# KiCad board FPGA_module.kicad_pcb (continued)
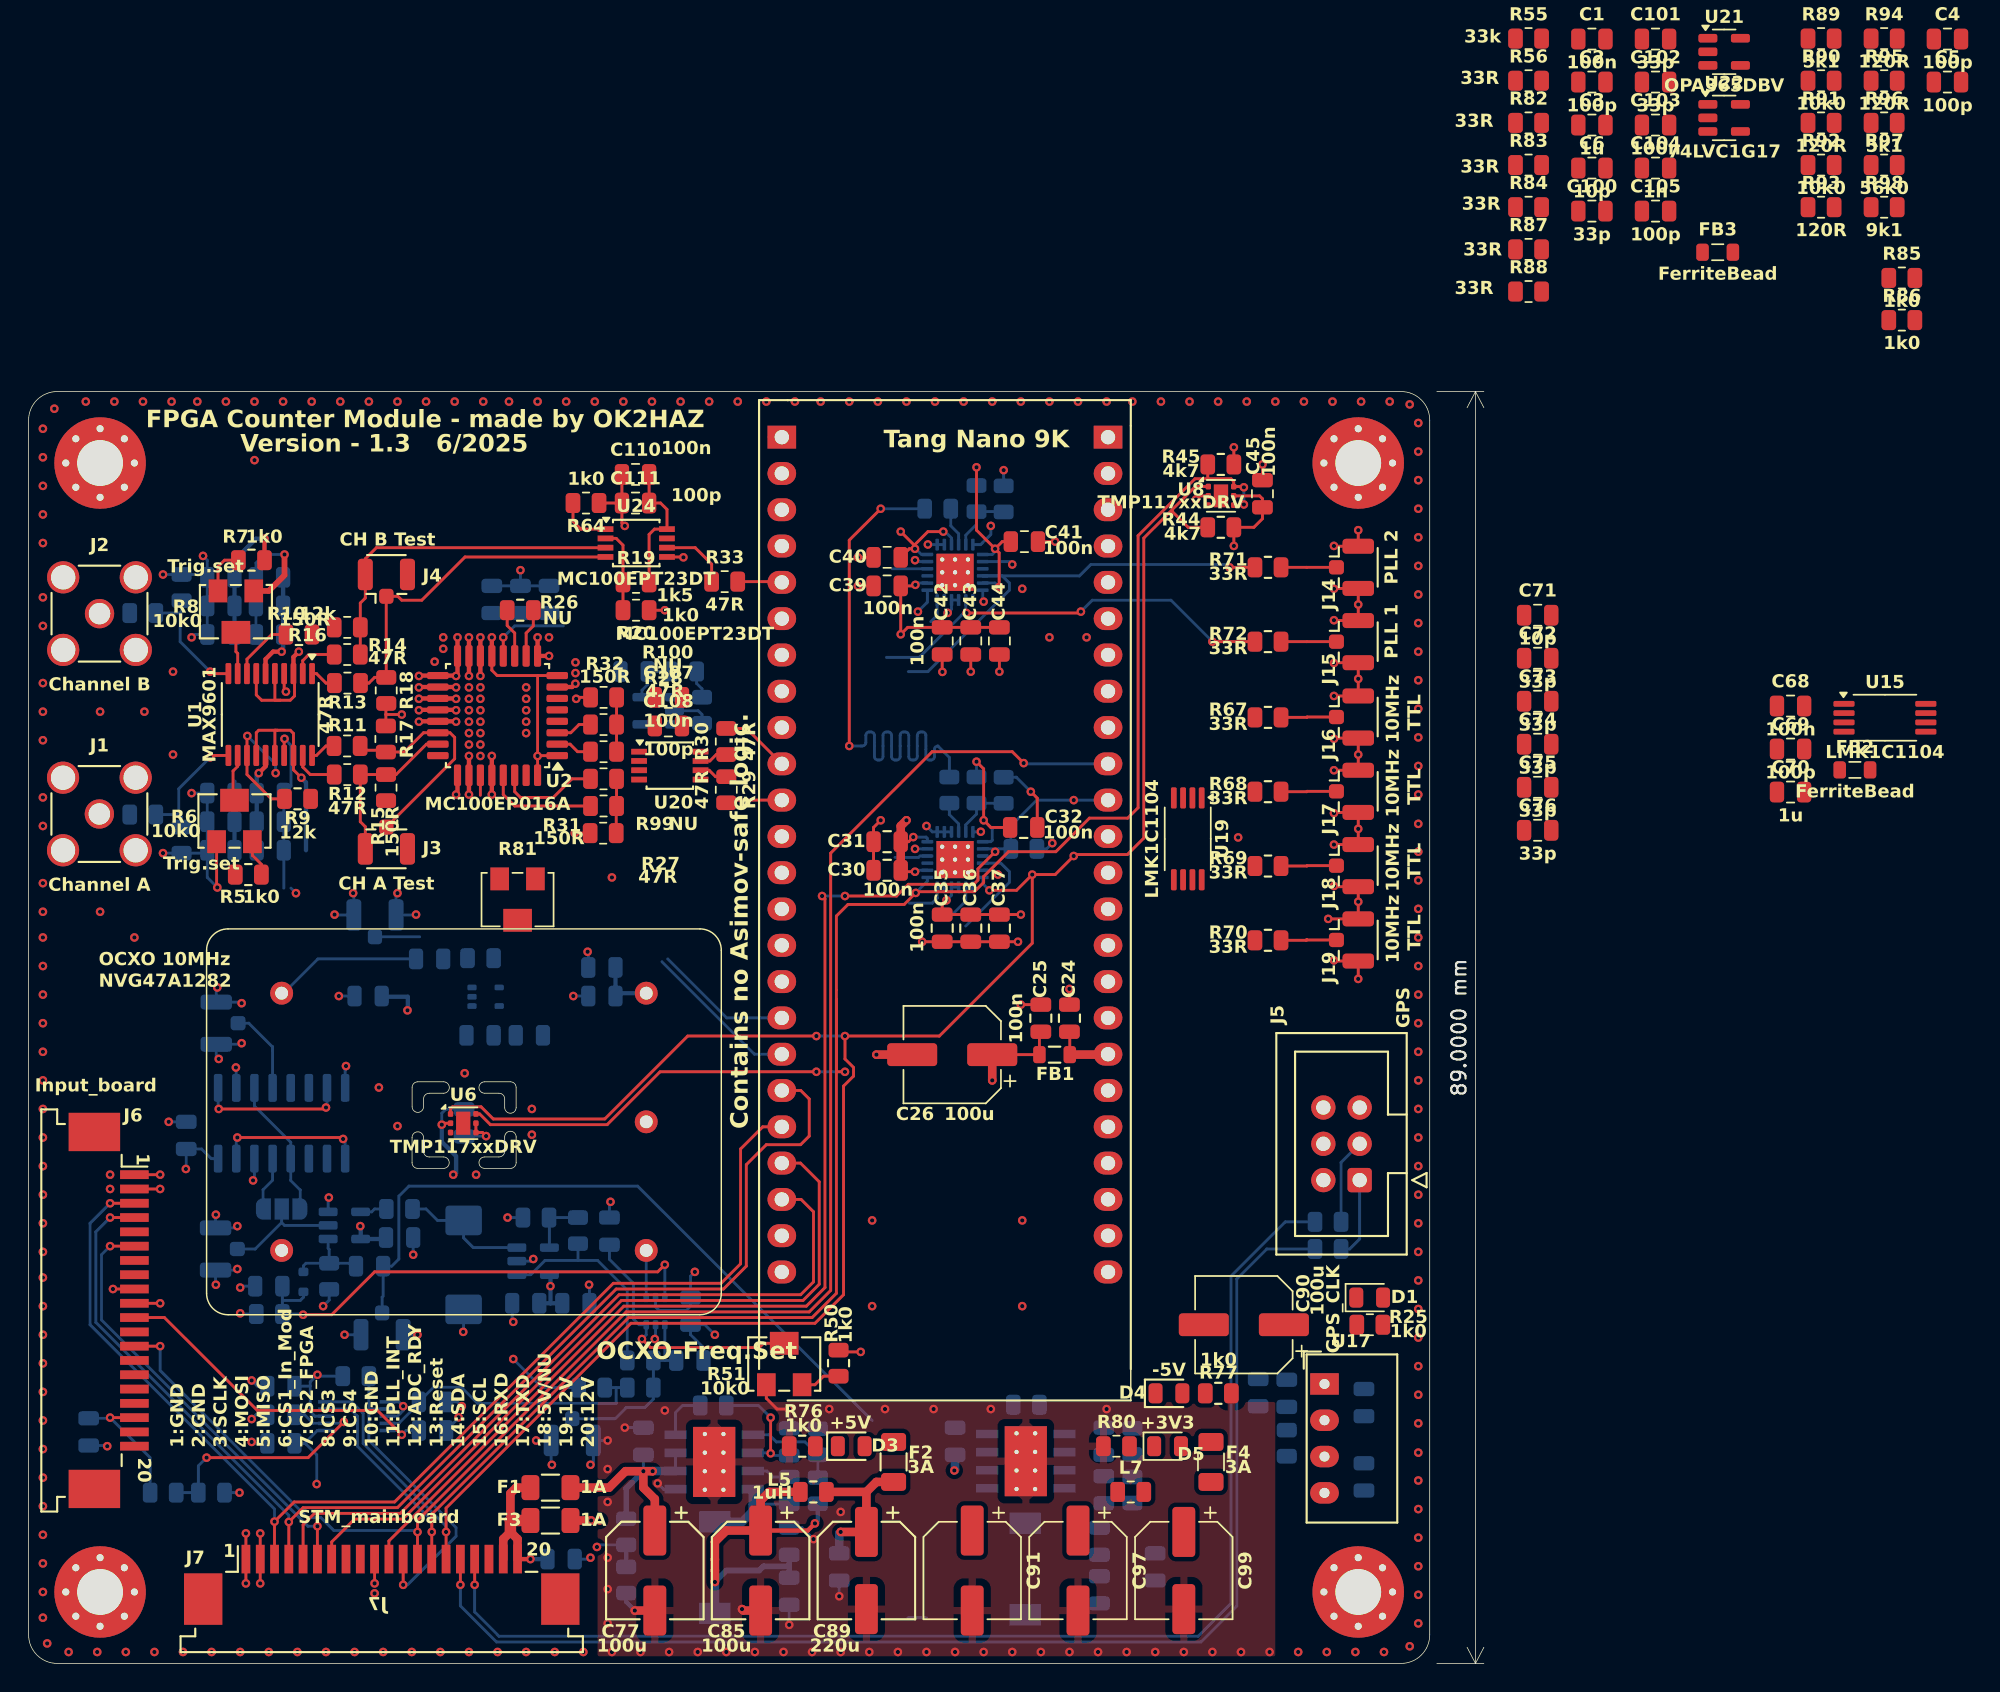
[diagram p0: board, top side]
## Routing (per net, layer and track width the routed paths; a pad name or vN(x,y) marks a point on that pad's centre or on a via; arc(x,y) is an arc through that point) (continued)
VBUS: length 12
  Top w0.3: v1(35.1,7.3) J7.20
  Top w0.6: 33.7,10 33.7,11.9 34.1,12.3 F1.1 ; J7.19 33.2,8.7 33.7,9.2 34.2,8.7 J7.20
  Top w0.8: F3.1 33.7,10 33.7,9.2
  Bottom w0.3: C23.2 v1(35.1,7.3)
(no net): length 19.3
  Bottom w0.2: 38.03,17.12 41.03,17.12 41.8,17.9 43.1,17.9 43.7,18.5 43.7,19.3 43.7,21.2 44.5,21.2 ; 14.65,44.8 15.4,44.8 17.06,43.14 17.06,42.86 ; 17.06,42.86 17.06,40.28 ; 17.06,42.86 17.06,43.17 ; 44.5,21.2 45.3,21.2 ; 44.5,21.2 44.5,23.7
/FPGA_core/ADC_RDY: length 21.9
  Top w0.2: v1(26.2,5.5) J7.12
  Bottom w0.2: 23.8,17.8 23.8,15.6 29.9,9.5 29.9,8.9 26.5,5.5 v1(26.2,5.5) ; 23.8,17.8 U5.2 ; 23.8,17.8 R43.1
/FPGA_core/GPS_CLK_OUT: length 49.2
  Bottom w0.2: J12.1 24.72,25.62 24.8,25.7 C67.2 25.4,27.8 25.9,28.3 25.9,32.7 26.6,33.4 42.6,33.4 59,17
/FPGA_core/PLL_CLK1: length 7.2
  Bottom w0.2: U4.10 68,56 68.6,55.4 68.6,54.65 65.55,51.6
/FPGA_core/PLL_CLK2: length 7.7
  Bottom w0.2: U4.14 65.55,53.35 64.6,52.4 ; R52.2 35.9,19.3 v1(33.9,21.3)
/FPGA_core/PLL_CLK3: length 2.9
  Bottom w0.2: U4.18 63.55,53.55 63.2,53.2 61.6,53.2
/FPGA_core/PLL_CLK4: length 3.2
  Top w0.2: 51.85,50.25 52.79,50.25
  Bottom w0.2: U4.22 62.35,56.5 62.25,56.4 60.6,56.4
/FPGA_core/PLL_CLK5: length 31.5
  Top w0.2: 85.78,76.7 v1(84,76.7)
  Bottom w0.2: v1(84,76.7) 83.8,76.9 74.3,76.9 73.5,76.1 U7.10 68.1,76.1 68.6,75.6 68.6,75.1 62.9,69.4 61.53,69.4
/FPGA_core/PLL_CLK6: length 29.6
  Top w0.2: v1(65.6,73.5) 73.5,73.5 v1(73.6,73.6) ; v1(82.8,71.5) 85.78,71.5
  Bottom w0.2: 60,70.4 62.3,70.4 65.4,73.5 v1(65.6,73.5) 65.55,73.55 U7.14 ; v1(73.6,73.6) 74.4,74.4 79.9,74.4 v1(82.8,71.5)
/FPGA_core/PLL_CLK7: length 1.7
  Bottom w0.2: U7.18 63.55,73.35 63.1,72.9
/FPGA_core/PLL_CLK8: length 2.5
  Bottom w0.2: U7.22 60.4,76.6
/FPGA_core/PLL_INT: length 112.3
  Top w0.2: v1(55.5,53.7) 55.7,53.5 55.7,26.3 54.4,25 41.63,25 25.2,8.57 J7.11 ; v1(67.6,56.8) 66.4,55.6 66.4,54.81 66.1,54.52 61.53,54.52 60.71,53.7 v1(57.1,53.7)
  In1.Cu w0.2: v1(73.1,60.41) 73.1,72.73 68.93,76.9 v1(68.8,76.9)
  Bottom w0.2: 75.61,60.41 v1(73.1,60.41) 70.51,60.41 68.7,58.6 R41.1 67.8,57 v1(67.6,56.8) 67.4,57 U4.8 ; v1(55.5,53.7) v1(57.1,53.7) ; U7.8 68.6,77.1 v1(68.8,76.9)
/FPGA_core/SCL: length 188
  Top w0.2: U8.1 81.6,82.35 80,80.75 ; v1(55.1,43.9) 46.1,43.9 40.3,38.1 32.5,38.1 31.65,38.95 29.65,38.95 29.51,38.81 U6.1 ; J7.15 v1(29.2,9.2) 29.2,10.87 42.13,23.8 55,23.8 57,25.8 57,40.4 57.7,41.1 57.7,41.7 57.1,42.3 v1(57.1,43.9) 63.7,43.9 70.2,50.4 v1(70.2,55.2) ; 80,80.75 78,78.75 78,57.75 76.85,56.6 73.2,56.6 v1(73.1,56.5) 71.8,55.2 v1(70.2,55.2) ; 80,80.75 80,80.6 81.1,79.5 R44.1 ; v1(70.2,55.2) 69.1,54.1 v1(67.2,54.1)
  In1.Cu w0.2: v1(73.1,56.5) 72.3,57.3 72.3,72.3 70.2,74.4 66.9,74.4 v1(66.8,74.3)
  Bottom w0.2: U7.12 66.74,74.36 v1(66.8,74.3) ; U5.10 22.6,18.3 23.4,17.5 23.4,15.4 29.2,9.6 v1(29.2,9.2) ; v1(67.2,54.1) 66.74,54.56 U4.12 ; v1(55.1,43.9) v1(57.1,43.9)
/FPGA_core/SDA: length 189.5
  Top w0.2: R45.1 82.47,82.92 82.5,82.9 ; U6.6 31.55,38.45 32.3,37.7 40.47,37.7 44.17,41.4 v1(55.1,41.4) ; 82.5,82.9 81.59,82.9 77.6,78.91 77.6,59.88 76.88,59.15 74.2,59.15 71.85,56.8 68.53,56.8 66.8,55.07 66.8,54.65 66.15,54 62.13,54 v1(62.05,53.92) 61.24,53.11 57.31,53.11 56.5,52.3 56.5,46.5 ; 82.5,82.9 84.1,82.9 84.29,82.71 U8.6 84.95,82.35 v1(85,82.3) ; U8.4 84.95,81.05 v1(85,81.1) ; J7.14 v1(28.2,9.2) 28.2,10.44 41.96,24.2 54.8,24.2 56.5,25.9 56.5,46.5 ; 56.5,46.5 56.5,41.4 v1(57.1,41.4)
  In1.Cu w0.2: v1(62.2,73.6) 62.2,58.35 62.6,57.95 62.6,54.47 v1(62.05,53.92)
  Bottom w0.2: U4.19 62.86,54.73 v1(62.05,53.92) ; U5.9 22.5,17.8 23,17.3 23,15.2 28.2,10 v1(28.2,9.2) ; v1(85,82.3) v1(85,81.1) ; v1(57.1,41.4) v1(55.1,41.4) ; U7.19 62.86,74.26 v1(62.2,73.6)
/GPSDO/10MHz_GPSDO_CLK3: length 43.3
  Top w0.2: 57.4,64.29 v1(57.4,64.2) 57.4,78.6 v1(59.6,80.8)
  Bottom w0.2: R42.1 64.4,63.4 63.6,64.2 arc(63.43,64.13) 63.36,63.96 63.36,63.46 arc(63.29,63.29) 63.12,63.22 63,63.22 arc(62.83,63.29) 62.76,63.46 62.76,64.94 arc(62.69,65.11) 62.52,65.18 62.4,65.18 arc(62.23,65.11) 62.16,64.94 62.16,63.46 arc(62.09,63.29) 61.92,63.22 61.8,63.22 arc(61.63,63.29) 61.56,63.46 61.56,64.94 arc(61.49,65.11) 61.32,65.18 61.2,65.18 arc(61.03,65.11) 60.96,64.94 60.96,63.46 arc(60.89,63.29) 60.72,63.22 60.6,63.22 arc(60.43,63.29) 60.36,63.46 60.36,64.94 arc(60.29,65.11) 60.12,65.18 60,65.18 arc(59.83,65.11) 59.76,64.94 59.76,63.46 arc(59.69,63.29) 59.52,63.22 59.4,63.22 arc(59.23,63.29) 59.16,63.46 59.16,64.94 arc(59.09,65.11) 58.92,65.18 58.8,65.18 arc(58.63,65.11) 58.56,64.94 58.56,64.44 arc(58.49,64.27) 58.32,64.2 v1(57.4,64.2) ; v1(59.6,80.8) R49.1
/GPSDO/OCXO_VC: length 20.2
  Bottom w0.2: 41.88,19.3 41.1,19.3 ; 41.1,19.3 40.3,19.3 ; 41.1,19.3 41.1,18.2 31.4,18.2 30.28,19.32 28.33,19.32 27.3,18.3 27.3,18.2 25.9,16.8 25.1,16.8
CH_B: length 3.1
  Top w0.2: U3.5 52.63,75.7 R33.2
DIV_Bit1/2: length 4
  Top w0.2: U3.11 48.98,60.41 48.8,60.22
DIV_Bit3/4: length 4.9
  Top w0.2: R30.2 50.21,65.42 U3.10
DIV_Out: length 15.9
  Top w0.2: U2.12 v1(33.2,71.8)
  Bottom w0.2: 33.2,71.4 v1(33.2,71.8) 34,72.6 37.4,72.6 ; 44.7,49.3 48.83,45.17 U3.17
DIV_Res: length 12.5
  Top w0.2: 31.6,60.75 U2.27
  Bottom w0.2: 44.3,49.1 50.77,42.63 U3.18
FPGA_CS2: length 53
  Top w0.2: J7.7 21.2,8.5 22.8,10.1 26.17,10.1 26.4,10.33 41.47,25.4 54.17,25.4 55.3,26.53 55.3,33.7 53.99,35.01 52.79,35.01
Input_Mod_CS1: length 30.5
  Top w0.2: v1(5.7,29.2) J6.6 ; J7.6 v1(20.2,9.6)
  Bottom w0.2: v1(5.7,29.2) 5.1,28.6 5.1,24.03 19.53,9.6 v1(20.2,9.6)
MISO: length 52.5
  Top w0.2: J7.5 19.2,9.7 20,10.5 26,10.5 41.3,25.8 54,25.8 54.9,26.7 54.9,31.6 54.03,32.47 52.79,32.47
MOSI: length 88
  Top w0.2: 52.79,40.09 54.01,40.09 54.6,39.5 54.6,36.9 54,36.3 51.6,36.3 50.2,34.9 50.2,27.8 48.6,26.2 41.1,26.2 25.8,10.9 19.2,10.9 v1(18.2,9.9) J7.4 ; v1(5.7,31.2) J6.4
  Bottom w0.2: v1(5.7,31.2) 4.7,30.2 4.7,23.87 18.2,10.37 v1(18.2,9.9)
OCXO_VC_SW: length 34.4
  Top w0.2: v1(44.5,27.9) 44,27.4 24.2,27.4 21.2,24.4 v1(19.2,24.4)
  Bottom w0.2: 17.75,25.4 19,25.4 19.22,25.62 D2.1 ; 17.75,25.4 R65.1 19.15,24.45 v1(19.2,24.4) ; 17.75,25.4 C66.2 ; U10.6 v1(44.5,27.9)
Reset: length 117.9
  Top w0.2: J7.13 27.2,10 41.8,24.6 54.6,24.6 56.1,26.1 56.1,56.7 63.2,63.8 68.8,63.8 v1(69.6,63) ; v1(9.2,22.2) J6.13
  Bottom w0.2: v1(27.2,9.2) 27.1,9.3 21.35,9.3 20.45,10.2 19.5,10.2 9.2,20.5 v1(9.2,22.2) ; 75.61,62.95 69.65,62.95 v1(69.6,63)
RF_Level: length 24.5
  Top w0.2: v1(26.1,16) 24.4,17.7 16,17.7 9.5,24.2 J6.11
  Bottom w0.2: 25.1,16.3 25.8,16.3 v1(26.1,16) 26.4,16.3 27.3,16.3
RXD: length 88.9
  Top w0.2: v1(30.2,5.5) J7.16
  Bottom w0.2: R23.1 86.6,29 84.5,26.9 84.5,4 82,1.5 32.73,1.5 30.2,4.03 v1(30.2,5.5)
SCK: length 84.3
  Top w0.2: 52.79,37.55 51.35,37.55 49.8,36 49.8,27.97 48.43,26.6 40.9,26.6 25.6,11.3 18.58,11.3 v1(17.2,9.92) J7.3 ; J6.3 v1(5.7,32.2)
  Bottom w0.2: v1(5.7,32.2) 4.3,30.8 4.3,23.7 17.2,10.8 v1(17.2,9.92)
TXD: length 88.6
  Top w0.2: v1(31.2,5.5) J7.17
  Bottom w0.2: R24.1 87.9,30.9 84.1,27.1 84.1,4.2 81.8,1.9 32.9,1.9 31.2,3.6 v1(31.2,5.5)
Net-(C49-Pad1): length 0.1
  Bottom w0.2: 29.05,49.35 C49.1
Net-(C82-Pad1): length 26.4
  Top w0.3: C85.1 54.5,9.3 v1(55,9.8)
  Top w0.6: L5.1 51.8,12 51.2,11.4 C85.1 48.8,9.3 48,8.5 v1(48,5.7)
  Bottom w0.3: R74.2 55.2,10 v1(55,9.8)
  Bottom w0.4: C82.1 C83.1 ; v1(48,5.7) 48.8,6.5 51.1,6.5 51.4,6.8 53.2,6.8
  Bottom w0.6: v1(48,5.7) L3.2
Net-(C87-Pad1): length 11.1
  Top w0.6: L5.2 58.6,12 ; 58.6,12 C89.1 v1(56.8,9.2) ; 58.6,12 59.3,12.7 F2.1
  Bottom w0.6: v1(56.8,9.2) 56.7,9.1 C87.1
Net-(D2-A): length 6
  Bottom w0.2: R66.2 22.7,28 C67.1 ; R66.2 19.4,28 19.22,27.83 D2.2 ; R66.2 21.03,28.97 20.95,29.05 U14.1
Net-(IC1A-A): length 10.4
  Top w0.2: v1(20.8,38.9) 20.7,38.8 v1(13.3,38.8)
  Bottom w0.2: 13.26,40.28 13.26,38.84 v1(13.3,38.8) ; v1(20.8,38.9) 20.88,38.97 20.88,40.28
Net-(IC1A-QA): length 9.8
  Bottom w0.2: JP2.3 19,33.12 18.33,33.79 IC1.12 18.33,36.47 15.8,39 15.8,40.28
Net-(IC1B-A): length 10.4
  Top w0.2: v1(14.6,36.8) 21.9,36.8 v1(22,36.7)
  Bottom w0.2: IC1.15 14.53,36.72 v1(14.6,36.8) ; v1(22,36.7) 22.14,36.56 22.14,35.33
Net-(IC1B-QA): length 3.8
  Bottom w0.2: IC1.13 17.06,33.81 16.4,33.15 JP2.1
Net-(J1-In): length 0.1
  Bottom w0.2: 4.99,59.4 J1.1
Net-(J2-In): length 0.1
  Bottom w0.2: 5,73.5 J2.1
Net-(J3-Ext): length 11.7
  Top w0.2: U2.23 27.83,64.33 25.7,62.2 R15.2 R12.2 23.2,58.9 23.55,58.55 J3.2
Net-(J3-In): length 15.7
  Top w0.2: R11.2 23.49,63.9 24.86,63.9 R17.2 26.28,63.78 27.62,65.12 U2.22 29.47,65.12 29.8,64.8 29.8,63.3 25.03,58.53 J3.1
Net-(J4-Ext): length 24
  Top w0.2: R14.2 R16.2 23.2,74.2 23.55,74.55 J4.2 23.55,77.3 24.33,78.08 U24.3
Net-(J4-In): length 24.3
  Top w0.2: 40.35,77.42 30.53,77.42 27.5,74.4 26.1,74.4 25.83,74.67 J4.1 25.01,74.66 R18.2 24.2,69 23.8,68.6 R13.2
Net-(J5-Pin_1): length 5.7
  Bottom w0.2: J5.1 93.1,29.7 92.4,29 R23.2
Net-(J5-Pin_3): length 6
  Bottom w0.2: R24.2 91.8,35.06 J5.3
Net-(J9-In): length 3.1
  Bottom w0.2: J9.1 27.35,50.85
Net-(J13-In): length 8.1
  Bottom w0.2: J13.1 15.85,29 17.7,30.85 ; U14.2 17.9,30.65 17.7,30.85 ; 17.7,30.85 JP2.2
Net-(J14-In): length 3.9
  Top w0.2: R71.2 J14.1
Net-(J15-In): length 3.9
  Top w0.2: J15.1 R72.2
Net-(J16-In): length 3.9
  Top w0.2: R67.2 89.4,66.2 89.43,66.22 J16.1
Net-(J17-In): length 3.9
  Top w0.2: J17.1 89.43,61.03 89.4,61 R68.2
Net-(J18-In): length 3.9
  Top w0.2: J18.1 89.43,55.83 89.4,55.8 R69.2
Net-(J19-In): length 3.9
  Top w0.2: J19.1 89.43,50.62 89.4,50.65 89.35,50.6 R70.2
Net-(R6-A): length 2.6
  Top w0.2: R6.3 15.65,56.55 16.28,55.92 R5.1
Net-(R6-S): length 3.3
  Top w0.2: U1.12 14.62,62.77 14.3,62.45 14.3,60.5 R6.2
Net-(R8-A): length 3.3
  Top w0.2: R7.1 13.7,77.2 13.25,76.75 R8.3
Net-(R8-S): length 2.9
  Top w0.2: R8.2 14.5,70.8 14.62,70.67 U1.9
Net-(R51-A): length 2.8
  Top w0.2: R51.3 55,19.5 55.6,20.1 R50.1
Net-(R51-S): length 18.4
  Top w0.2: v1(42.9,22.7) 43.5,22.1 51.1,22.1 51.4,22.4 R51.2
  Bottom w0.2: v1(42.9,22.7) 43.2,23 U10.3 42.7,23.7 42.3,24.1 42.3,26.6 40.62,28.28 C48.2
Net-(R57-Pad2): length 15.1
  Bottom w0.2: 38.42,28.2 39.8,28.2 41.88,26.12 R57.2 ; 38.42,28.2 R58.1 ; 38.42,28.2 36.12,28.2 35.12,27.2 U13.1
Net-(R63-Pad2): length 1.9
  Bottom w0.2: R63.2 24.2,31.8 24,31.6 23.22,31.6
Net-(U1A-/Q): length 3.3
  Top w0.2: U1.2 19.17,70.17 19.6,70.6 R14.1
Net-(U1A-Hys): length 4.5
  Top w0.2: U1.8 15.28,70.28 17,72 R10.2
Net-(U1A-IN+): length 8.9
  Top w0.2: U1.10 12.84,69.26 v1(12.7,69.4)
  Bottom w0.2: R4.2 10.7,73.6 10.6,73.5 ; v1(12.7,69.4) 10.6,71.5 10.6,73.5 ; 10.6,73.5 R2.2
Net-(U1A-Q): length 1.8
  Top w0.2: R13.1 20.8,68.6 20.14,69.26 U1.1
Net-(U1B-/Q): length 3.2
  Top w0.2: R12.1 19.7,62.2 19.17,62.72 U1.19
Net-(U1B-Hys): length 9.5
  Top w0.2: R9.2 16.98,60.5 15.28,62.2 U1.13 15.28,64.87 v1(15.3,64.9)
  Bottom w0.2: v1(17.28,62.3) 17.28,62.92 v1(15.3,64.9)
Net-(U1B-IN+): length 8.8
  Top w0.2: v1(12.7,63.4) 12.84,63.54 U1.11
  Bottom w0.2: 10.5,59.4 10.5,61.2 v1(12.7,63.4) ; 10.5,59.4 10.7,59.2 R3.2 ; 10.5,59.4 R1.2
Net-(U1B-Q): length 1.8
  Top w0.2: U1.20 20.14,63.54 20.8,64.2 R11.1
Net-(U2-COUT): length 3.4
  Top w0.2: R26.2 35.3,72.6 34.8,72.1 U2.10
Net-(U2-Q0): length 7.8
  Top w0.2: R27.1 34,60 33.2,60.8 U2.29
Net-(U2-Q1): length 7.2
  Top w0.2: U2.30 34,61 34.4,60.6 36.7,60.6 38,61.9 R99.1
Net-(U2-Q3): length 2.5
  Top w0.2: U2.2 37.88,64.33 38.4,63.8 R28.1
Net-(U2-Q4): length 2.6
  Top w0.2: R100.1 38.5,65.7 37.92,65.12 U2.3
Net-(U2-~{COUT}): length 3.4
  Top w0.2: U2.11 34,72.1 33.47,72.62 R26.1
Net-(U3-+5V): length 4.1
  Top w0.2: C24.2 72.83,44.17 FB1.2
  Top w0.6: 75.61,42.63 75.58,42.6 73.12,42.6
Net-(U4-CLK_IN): length 2.3
  Bottom w0.2: R42.2 64.4,59.4 65.05,58.75 U4.4
Net-(U4-SSC_DIS): length 4.2
  Bottom w0.2: R40.2 66.31,60.19 R39.1 66.3,59.43 65.55,58.68 U4.5
Net-(U5-AIN2): length 31.6
  In2.Cu w0.2: v1(39.75,8.15) 24.55,8.15 v1(20.15,12.55)
  Bottom w0.2: 41.8,8.3 39.9,8.3 v1(39.75,8.15) ; U5.6 20.2,16.3 19.3,15.4 C29.2 19.35,15.4 20.15,14.6 v1(20.15,12.55)
  Bottom w0.3: 41.8,8.3 41.8,6.75
Net-(U5-AIN3): length 18.6
  Top w0.2: v1(12.45,14.4) 19.55,14.4 v1(22.05,16.9)
  Bottom w0.2: v1(12.45,14.4) 11.88,13.82 R38.2 R37.1 ; C33.2 19.3,17.4 19.9,16.8 U5.7 21.95,16.8 v1(22.05,16.9)
Net-(U7-CLK_IN): length 2.7
  Bottom w0.2: U7.4 65.05,79.05 64.5,79.6 R49.2
Net-(U7-SSC_DIS): length 4.5
  Bottom w0.2: U7.5 65.55,78.95 66.3,79.7 R46.1 68.17,80.6 R47.2
Net-(U9-OUT): length 10.3
  Bottom w0.2: C49.2 20.23,49.3 17.83,46.9 17.75,46.9
Net-(U12-+): length 3.9
  Bottom w0.2: R34.1 46.72,68.58 47.1,68.2 R59.2 U12.1
Net-(U13-+): length 9.1
  Bottom w0.2: R63.1 27.8,31.8 28.6,31 C60.1 30.42,29.78 31.1,29.1 U13.3
Net-(U13--): length 4.1
  Bottom w0.2: R58.2 R60.2 36.42,31.17 U13.4
Net-(U16-BOOT): length 2.7
  Bottom w0.2: C81.2 52.05,13.05 51.64,13.47 U16.7
Net-(U16-FB): length 6.7
  Bottom w0.2: R74.1 R75.2 54.3,15.5 52.3,15.5 51.8,16 U16.5
Net-(U16-PG): length 3.5
  Bottom w0.2: U16.4 45.25,17.55 45.75,18.05 R73.1
Net-(U16-SW): length 7.1
  Bottom w0.2: C81.1 50.7,11.15 50.65,11.1
  Bottom w0.6: U16.8 50.65,10.65 49.9,9.9 L3.1
Net-(U16-VCC): length 8.6
  Top w0.2: v1(51.9,17.2) v1(51.9,14.7)
  Bottom w0.2: v1(51.9,17.2) 51.05,18.05 R73.2 ; C79.2 52.05,14.55 v1(51.9,14.7) 51.86,14.74 50.65,14.74
Net-(U20-D0): length 3.8
  Top w0.2: R32.2 41.12,67.59 R100.2 R28.2
Net-(U20-D1): length 3.8
  Top w0.2: R31.2 41.1,59.97 R27.2 R99.2
Net-(U20-Q0): length 2
  Top w0.2: R30.1 48.1,63.6 47.65,63.15 U20.7
Net-(U20-Q1): length 2
  Top w0.2: U20.6 47.6,62.5 48.05,62.05 R29.1
Net-(U21-+): length 3.3
  Bottom w0.2: 43.25,28.9 43.2,28.85 U10.4
Net-(U24-D0): length 3.8
  Top w0.2: U24.1 38.62,79.38 38.08,79.92 R64.2
Net-(U24-Q1): length 4.8
  Top w0.2: R33.1 47.78,76.92 46.62,78.08 U24.6
Net-(U24-~{D0}): length 6
  Top w0.2: R20.2 R19.1 41.58,78.25 41.1,78.72 40.35,78.72
unconnected-(J6-Pin_9-Pad9): length 117.5
  Top w0.2: v1(5.9,26.2) J6.9
  In2.Cu w0.2: 78.2,1.7 16.6,1.7 4.3,14 4.3,24.6 v1(5.9,26.2) 4.3,27.8 4.3,49.7
unconnected-(U3-PIN37_IOB31A_TF_MOSI-Pad2): length 1
  Top w0.2: 51.79,83.27 52.79,83.27
unconnected-(U3-PIN38_IOB31B_TF_CS-Pad1): length 1
  Top w0.2: 51.79,85.81 52.79,85.81

## Copper pours and planes (outline as drawn; the poured copper is in the pictures)
GND on Top: 39.8,0.3 39.8,18.3 87.2,18.3 87.2,0.3
GND on Bottom: 38.9,70.3 36.7,72.3 26.7,72.3 26.7,60.2 38.8,60.2
GND on In1.Cu, In2.Cu: 0.3,0.3 97.7,0.3 97.7,88.7 0.3,88.7

## Text on the board
B.Silkscreen: RF Out | VC | REF | +5V | CH_B | DIV_Res | DIV_Out | PLL_CLK8 | PLL_CLK7 | PLL_CLK6 | PLL_CLK5 | PLL_CLK1 | PLL_CLK2 | PLL_CLK3 | PLL_CLK4 | STM_CLK | STM_CS2 | DIV_Bit3/4 | DIV_Bit1/2 | STM_MOSI | STM_MISO | 10MHz_GPSDO_TTL | GPS_Time_Stamp | GND | Reset | 5V | PLL_Int
F.Silkscreen: 1 | 20 | 1:GND / 2:GND / 3:SCLK / 4:MOSI / 5:MISO / 6:CS1_In_Mod / 7:CS2_FPGA / 8:CS3 / 9:CS4 / 10:GND / 11:PLL_INT / 12:ADC_RDY / 13:Reset / 14:SDA / 15:SCL / 16:RXD / 17:TXD / 18:5V/NU / 19:12V / 20:12V | OCXO 10MHz / NVG47A1282 | Trig.set | PLL 2 | PLL 1 | 10MHz / TTL | OCXO-Freq.Set | FPGA Counter Module - made by OK2HAZ | Version - 1.3   6/2025 | Tang Nano 9K | Contains no Asimov-safe logic.
